# Altium PCB top_LM_v3.PcbDoc (part 1 of 6)
Units mil, origin at the board's own origin, x right, y up, seen from the top; angles counter-clockwise.
Board outline 10500 x 5830 mil, 2 copper layers (Top Layer, Bottom Layer); 771 components, 701 nets, 1994 pads, 493 vias.
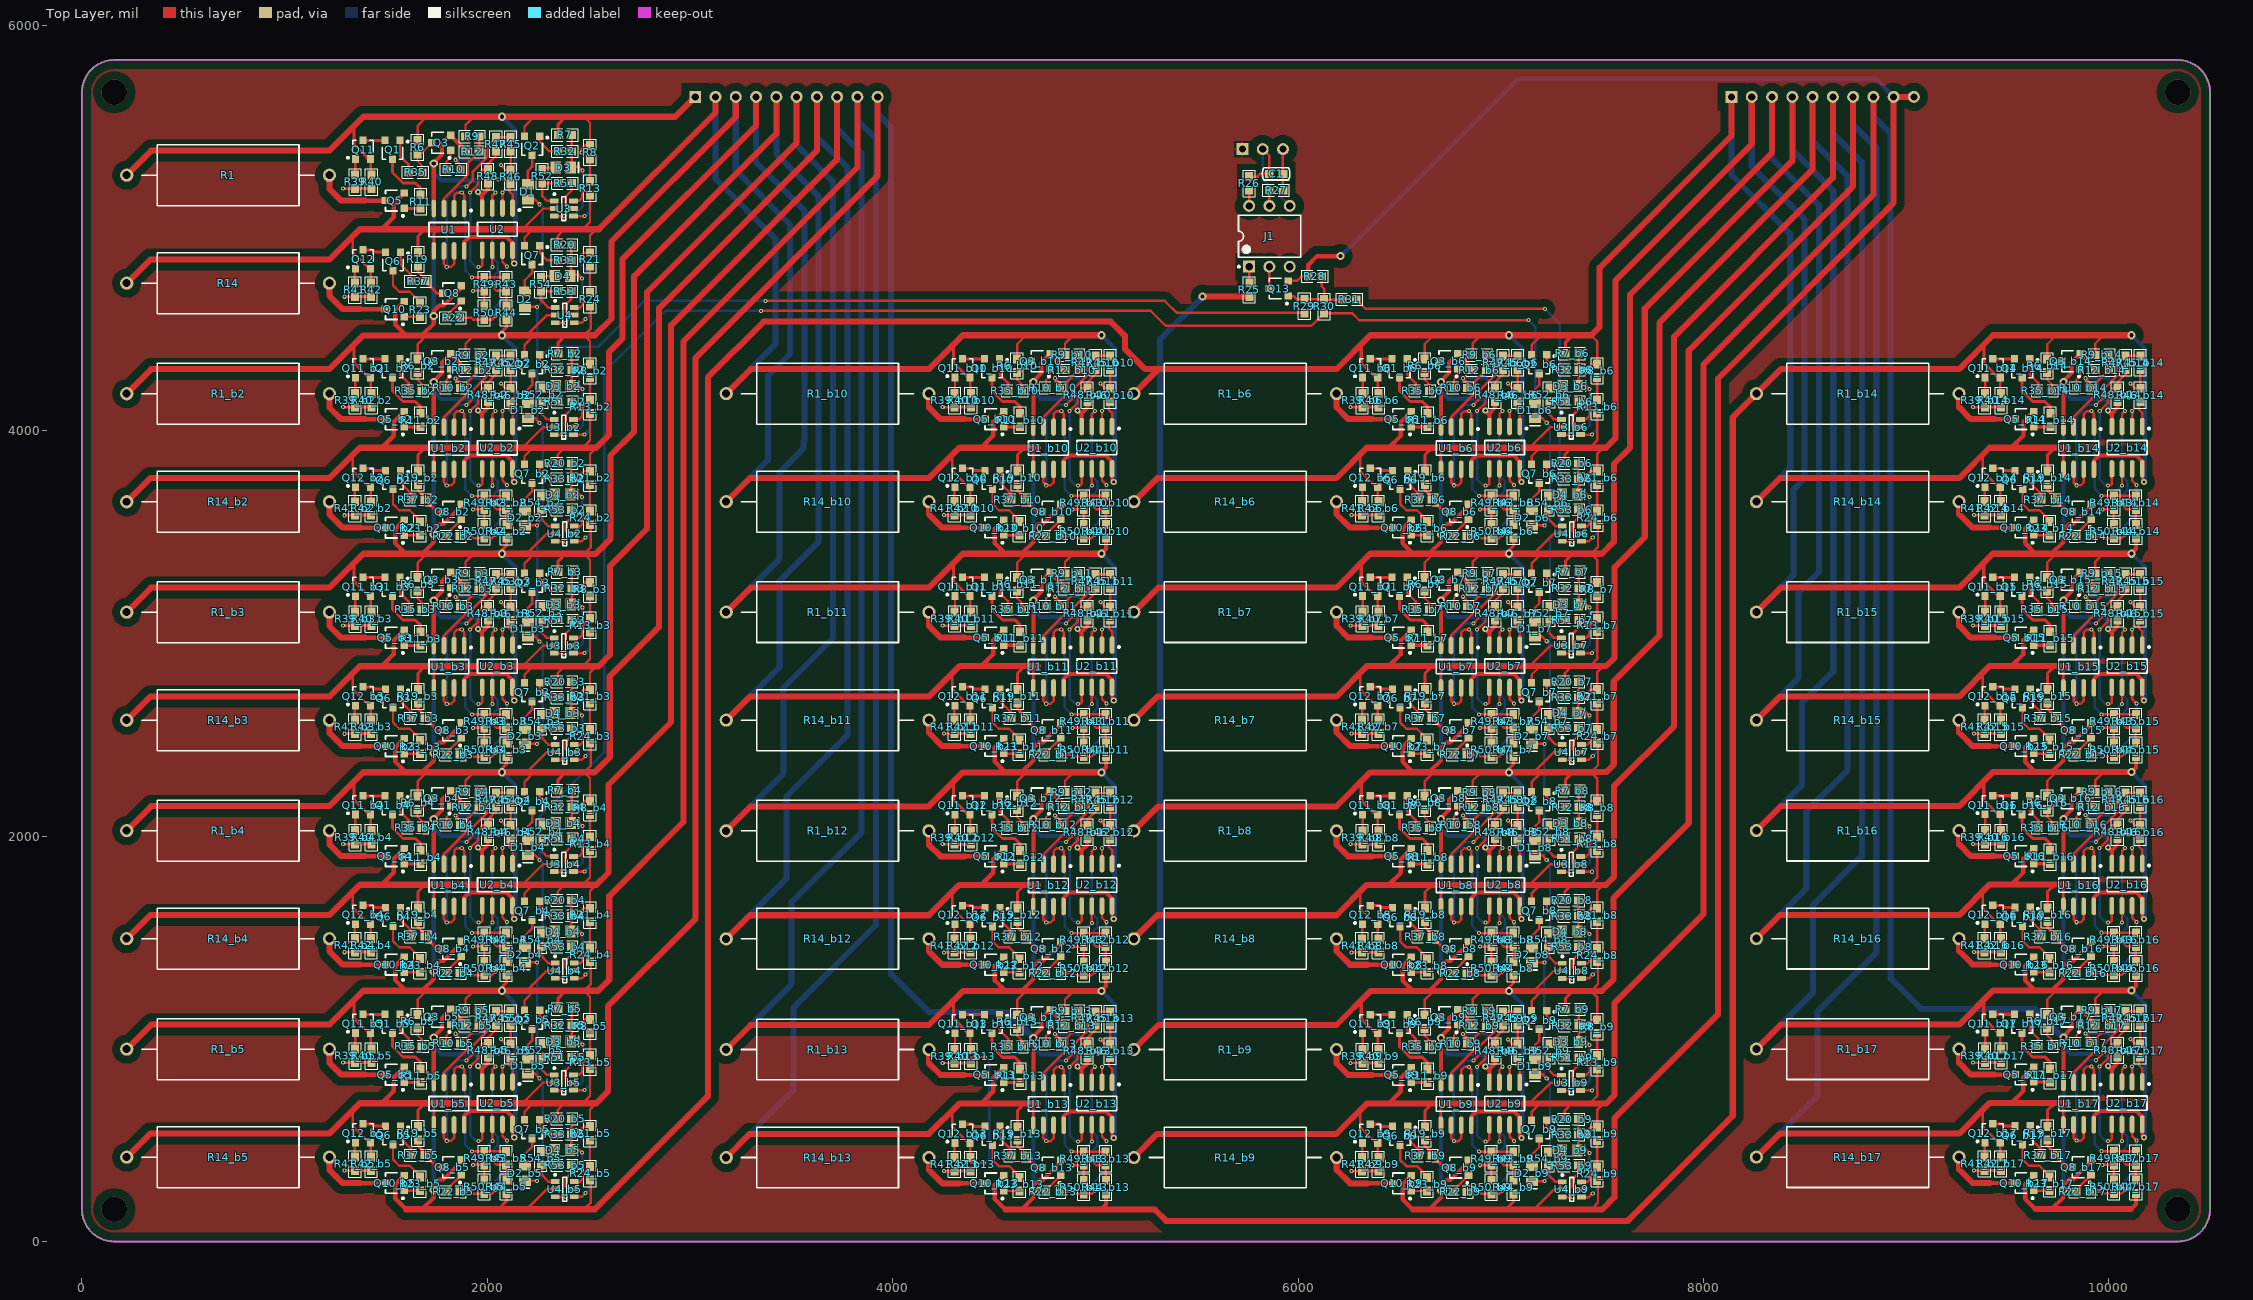
[diagram p0: Top Layer view]
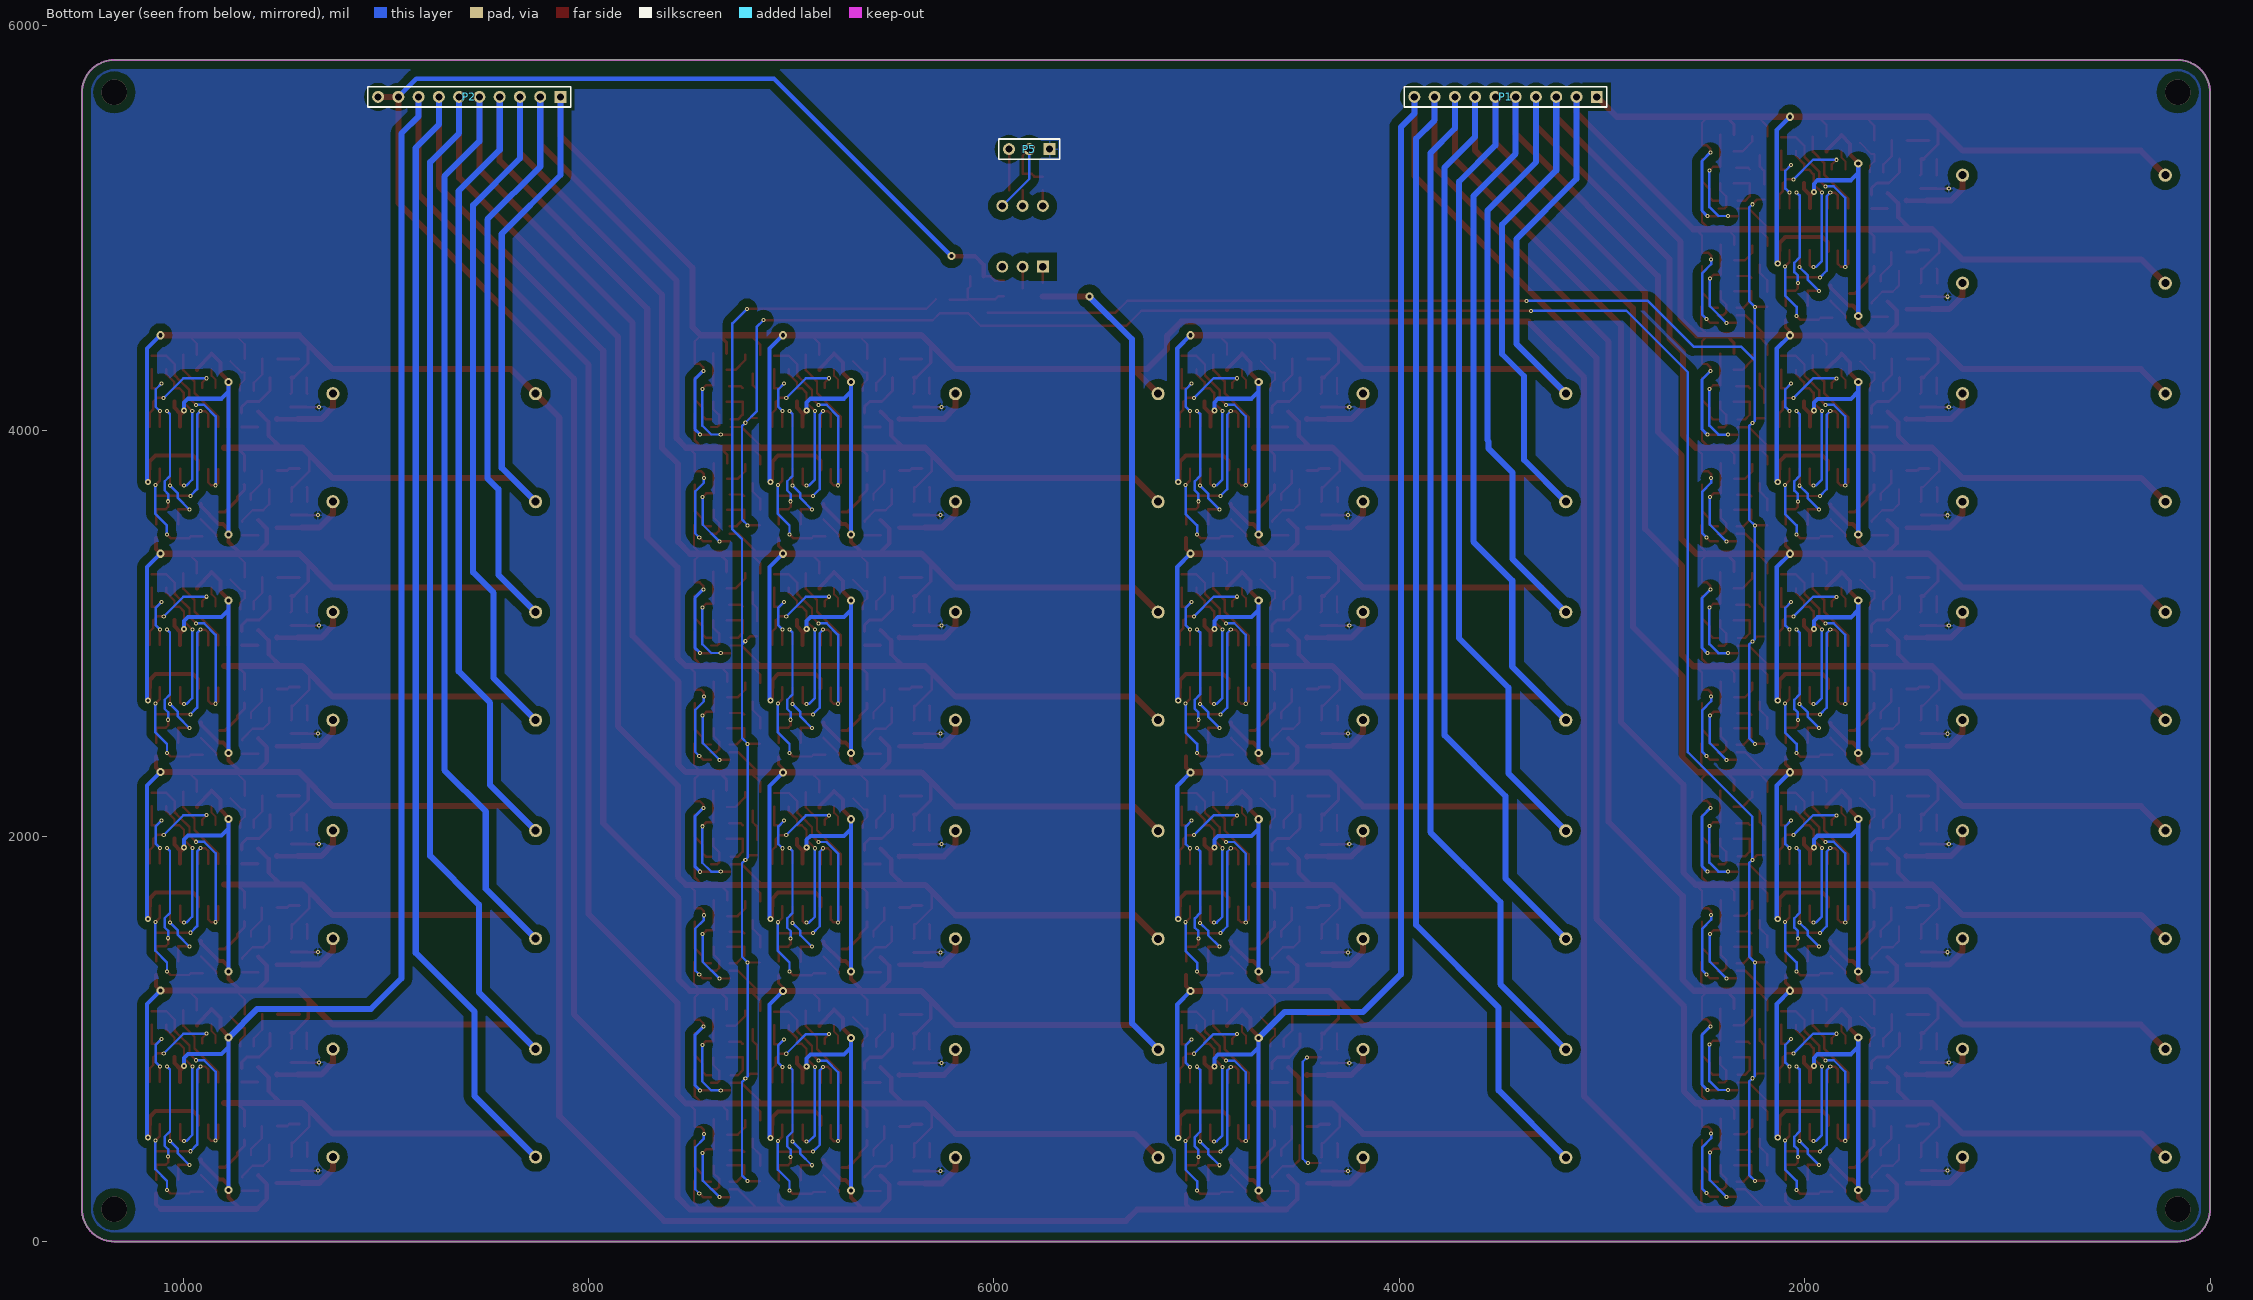
[diagram p1: Bottom Layer view, seen from below]
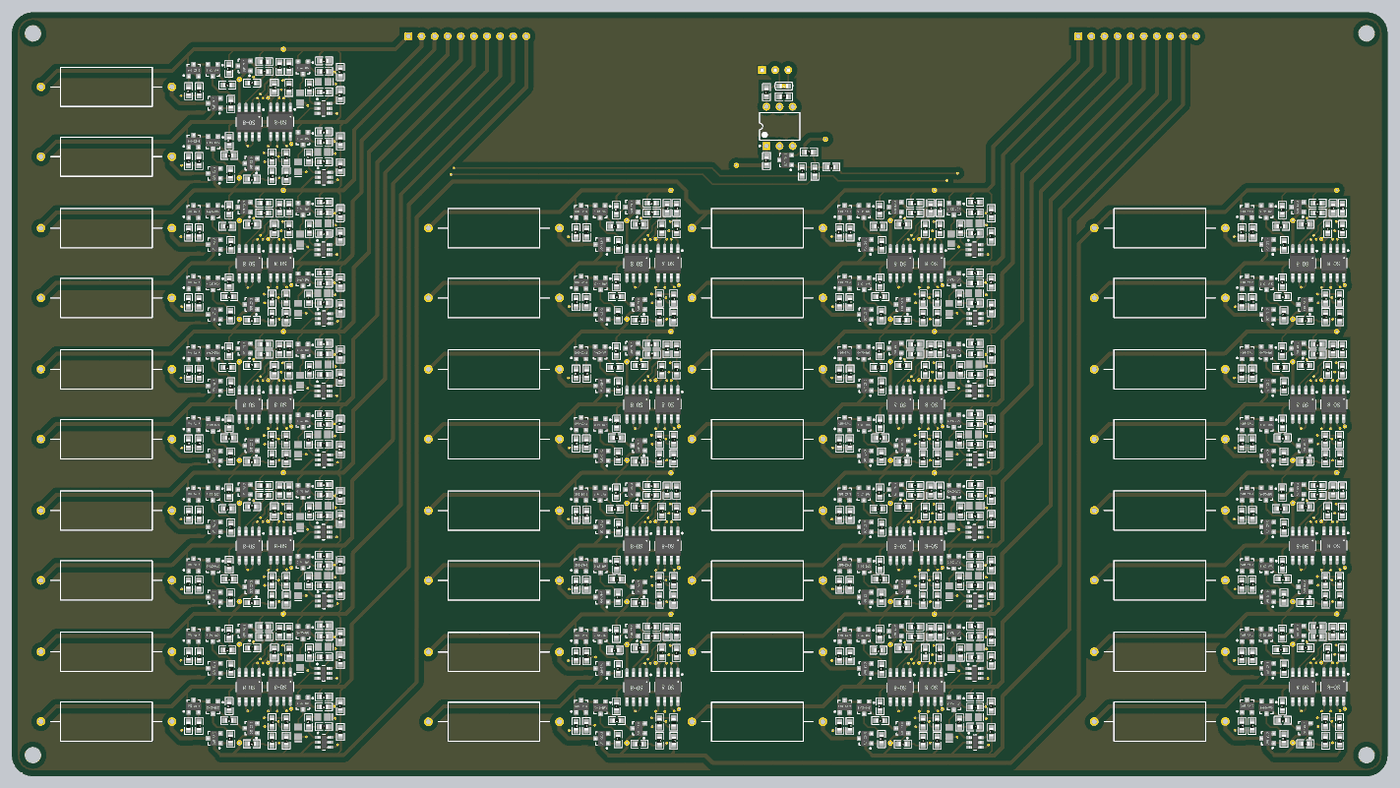
[diagram p7: 3D render of the assembled board from above, using the file's embedded part models]

## Layer stack, top to bottom
Top Solder: solder mask 0.4, Solder Resist, Dk 3.5
Top Layer: signal copper 1.4
Dielectric 1: dielectric 12.6, FR-4, Dk 4.8
Bottom Layer: signal copper 1.4
Bottom Solder: solder mask 0.4, Solder Resist, Dk 3.5

## Board outline
160,0 cw(c160,160) 0,160 0,5670 cw(c160,5670) 160,5830 10340,5830 cw(c10340,5670) 10500,5670 10500,160 cw(c10340,160) 10340,0

## Design rules (kind name [scope] priority, off if disabled: settings)
Clearance Clearance_19 [InNamedPolygon('OUT_G16_L02_P000')] p1: gap=40
Clearance Clearance_18 [InNamedPolygon('OUT_G16_L02_P000')] p2: gap=40
Clearance Clearance_17 [InNamedPolygon('OUT_G16_L01_P001')] p3: gap=40
Clearance Clearance_16 [InNamedPolygon('GND')] p4: gap=40
Clearance Clearance_15 [InNamedPolygon('GND')] p5: gap=15
Clearance Clearance_14 [InNamedPolygon('GND')] p6: gap=15
Clearance Clearance_13 [InNamedPolygon('GND')] p7: gap=15
Clearance Clearance_12 [InNamedPolygon('GND')] p8: gap=20
Clearance Clearance_11 [InNamedPolygon('GND')] p9: gap=40
Clearance Clearance_10 [InNamedPolygon('GND')] p10: gap=15
Clearance Clearance_9 [InNamedPolygon('GND')] p11: gap=12
Clearance Clearance_8 [InNamedPolygon('GND')] p12: gap=10
Clearance Clearance_7 [InNamedPolygon('GND')] p13: gap=15
Clearance Clearance_6 [InNamedPolygon('GND')] p14: gap=15
Clearance Clearance_5 [InNamedPolygon('GND')] p15: gap=20
Clearance Clearance_4 [InNamedPolygon('GND')] p16: gap=40
Clearance Clearance_3 [InNamedPolygon('GND')] p17: gap=40
Clearance Clearance_2 [InNamedPolygon('OUT_G16_L01_P002')] p18: gap=40
Clearance Clearance_1 [InNamedPolygon('OUT_G16_L01_P002')] p19: gap=40
Clearance [All] p20: gap=10
HoleSize [All] p1: absolutevalues=TRUE maxlimit=1000 minlimit=0 maxpercent=80.000 minpercent=20.000
MinimumSolderMaskSliver [All] p1: minsoldermaskwidth=0
PolygonConnect [All] p1: connectstyle=Relief reliefconductorwidth=10 reliefentries=4 polygonreliefangle="90 Angle" airgapwidth=10
RoomDefinition b3 [InComponentClass('b3')] p1: confinementstyle=ConfineIn formatcopy=TRUE lockcomponents=FALSE outline 161.82,2289 2586,2289 2586,3425 161.82,3425
RoomDefinition balance_1.1 [InComponentClass('balance_1.1')] p2: confinementstyle=ConfineIn formatcopy=TRUE lockcomponents=FALSE outline 161.82,4445.32 2586,4445.32 2586,5581.32 161.82,5581.32
RoomDefinition b17 [InComponentClass('b17')] p3: confinementstyle=ConfineIn formatcopy=TRUE lockcomponents=FALSE outline 8202.57,133.32 10213.82,133.32 10213.82,1269.32 8202.57,1269.32
RoomDefinition b16 [InComponentClass('b16')] p4: confinementstyle=ConfineIn formatcopy=TRUE lockcomponents=FALSE outline 8202.57,1211.32 10213.82,1211.32 10213.82,2347.32 8202.57,2347.32
RoomDefinition b15 [InComponentClass('b15')] p5: confinementstyle=ConfineIn formatcopy=TRUE lockcomponents=FALSE outline 8202.57,2289.32 10213.82,2289.32 10213.82,3425.32 8202.57,3425.32
RoomDefinition b14 [InComponentClass('b14')] p6: confinementstyle=ConfineIn formatcopy=TRUE lockcomponents=FALSE outline 8202.82,3367.32 10214.08,3367.32 10214.08,4503.32 8202.82,4503.32
RoomDefinition b13 [InComponentClass('b13')] p7: confinementstyle=ConfineIn formatcopy=TRUE lockcomponents=FALSE outline 3119.82,131.32 5131.08,131.32 5131.08,1267.32 3119.82,1267.32
RoomDefinition b12 [InComponentClass('b12')] p8: confinementstyle=ConfineIn formatcopy=TRUE lockcomponents=FALSE outline 3119.82,1210.32 5131.08,1210.32 5131.08,2346.32 3119.82,2346.32
RoomDefinition b11 [InComponentClass('b11')] p9: confinementstyle=ConfineIn formatcopy=TRUE lockcomponents=FALSE outline 3119.82,2289.32 5131.08,2289.32 5131.08,3425.32 3119.82,3425.32
RoomDefinition b10 [InComponentClass('b10')] p10: confinementstyle=ConfineIn formatcopy=TRUE lockcomponents=FALSE outline 3119.82,3367.32 5131.08,3367.32 5131.08,4503.32 3119.82,4503.32
RoomDefinition b9 [InComponentClass('b9')] p11: confinementstyle=ConfineIn formatcopy=TRUE lockcomponents=FALSE outline 5131.08,131.32 7555.25,131.32 7555.25,1267.32 5131.08,1267.32
RoomDefinition b8 [InComponentClass('b8')] p12: confinementstyle=ConfineIn formatcopy=TRUE lockcomponents=FALSE outline 5131.08,1210.32 7555.25,1210.32 7555.25,2346.32 5131.08,2346.32
RoomDefinition b7 [InComponentClass('b7')] p13: confinementstyle=ConfineIn formatcopy=TRUE lockcomponents=FALSE outline 5131.08,2289.32 7555.25,2289.32 7555.25,3425.32 5131.08,3425.32
RoomDefinition b6 [InComponentClass('b6')] p14: confinementstyle=ConfineIn formatcopy=TRUE lockcomponents=FALSE outline 5131.08,3367.32 7555.25,3367.32 7555.25,4503.32 5131.08,4503.32
RoomDefinition b5 [InComponentClass('b5')] p15: confinementstyle=ConfineIn formatcopy=TRUE lockcomponents=FALSE outline 161.82,133 2586,133 2586,1269 161.82,1269
RoomDefinition b4 [InComponentClass('b4')] p16: confinementstyle=ConfineIn formatcopy=TRUE lockcomponents=FALSE outline 161.82,1211 2586,1211 2586,2347 161.82,2347
RoomDefinition b2 [InComponentClass('b2')] p17: confinementstyle=ConfineIn formatcopy=TRUE lockcomponents=FALSE outline 161.82,3367 2586,3367 2586,4503 161.82,4503
RoutingVias [All] p1: holewidth=10 width=20 viastyle="Through Hole" minholewidth=1 minwidth=1 maxholewidth=100 maxwidth=100
SilkToSilkClearance [All] p1: silktosilkclearance=1
SilkToSolderMaskClearance [IsPad] p1: minsilkscreentomaskgap=1 clearancetoexposedcopper=TRUE
SolderMaskExpansion [All] p1: expansion=0
Width [All] p1: maxlimit=100 minlimit=1 preferedwidth=12 minimp=50.000000 maximp=50.000000 favimp=50.000000
26 further rules are at their usual default settings.

## Classes and differential pairs
component class b3: D1_b3 D1_b19 D2_b3 D2_b19 D3_b3 D4_b3 Q1_b3 Q1_b19 Q2_b3 Q2_b19 Q3_b3 Q3_b19 Q4_b19 Q5_b3 Q5_b19 Q6_b3 Q6_b19 Q7_b3 Q7_b19 Q8_b3 Q8_b19 Q9_b19 Q10_b3 Q10_b19 Q11_b3 Q12_b3 R1_b3 R1_b19 R2_b19 R3_b19 R4_b19 R5_b19 R6_b3 R6_b19 R7_b3 R7_b19 R8_b3 R8_b19 R9_b3 R9_b19 R10_b3 R10_b19 R11_b3 R11_b19 R12_b3 R12_b19 R13_b3 R13_b19 R14_b3 R14_b19 R15_b19 R16_b19 R17_b19 R18_b19 R19_b3 R19_b19 R20_b3 R20_b19 R21_b3 R21_b19 R22_b3 R22_b19 R23_b3 R23_b19 R24_b3 R24_b19 R32_b3 R33_b3 R35_b3 R35_b19 R36_b19 R37_b3 R37_b19 R38_b19 R39_b3 R40_b3 R41_b3 R42_b3 R43_b3 R44_b3 R45_b3 R46_b3 R47_b3 R48_b3 R49_b3 R50_b3 R51_b3 R52_b3 R53_b3 R54_b3 U1_b3 U1_b19 U2_b3 U2_b19 U3_b3 U4_b3
component class b17: D2_b19 Q1_b17 Q1_b19 Q3_b17 Q5_b17 Q5_b19 Q6_b17 Q8_b17 Q10_b17 Q10_b19 Q11_b17 Q12_b17 R1_b17 R3_b19 R5_b19 R6_b17 R6_b19 R9_b17 R9_b19 R10_b17 R11_b17 R11_b19 R12_b17 R13_b19 R14_b17 R14_b19 R16_b19 R18_b19 R19_b17 R20_b19 R22_b17 R22_b19 R23_b17 R24_b19 R35_b17 R36_b19 R37_b17 R38_b19 R39_b17 R40_b17 R41_b17 R42_b17 R43_b17 R44_b17 R45_b17 R46_b17 R47_b17 R48_b17 R49_b17 R50_b17 U1_b17 U2_b17 U2_b19
component class b16: Q1_b16 Q3_b16 Q5_b16 Q6_b16 Q8_b16 Q10_b16 Q11_b16 Q12_b16 R1_b16 R6_b16 R9_b16 R10_b16 R11_b16 R12_b16 R14_b16 R14_b19 R16_b19 R19_b16 R22_b16 R23_b16 R35_b16 R37_b16 R39_b16 R40_b16 R41_b16 R42_b16 R43_b16 R44_b16 R45_b16 R46_b16 R47_b16 R48_b16 R49_b16 R50_b16 U1_b16 U2_b16
component class b15: Q1_b15 Q3_b15 Q5_b15 Q6_b15 Q8_b15 Q10_b15 Q11_b15 Q12_b15 R1_b15 R6_b15 R9_b15 R10_b15 R11_b15 R12_b15 R14_b15 R19_b15 R22_b15 R23_b15 R35_b15 R37_b15 R39_b15 R40_b15 R41_b15 R42_b15 R43_b15 R44_b15 R45_b15 R46_b15 R47_b15 R48_b15 R49_b15 R50_b15 U1_b15 U2_b15
component class b14: Q1_b14 Q3_b14 Q5_b14 Q6_b14 Q8_b14 Q10_b14 Q11_b14 Q12_b14 R1_b14 R6_b14 R9_b14 R10_b14 R11_b14 R12_b14 R14_b14 R19_b14 R22_b14 R23_b14 R35_b14 R37_b14 R39_b14 R40_b14 R41_b14 R42_b14 R43_b14 R44_b14 R45_b14 R46_b14 R47_b14 R48_b14 R49_b14 R50_b14 U1_b14 U2_b14
component class b13: Q1_b13 Q3_b13 Q5_b13 Q6_b13 Q8_b13 Q10_b13 Q11_b13 Q12_b13 R1_b13 R6_b13 R9_b13 R10_b13 R11_b13 R12_b13 R14_b13 R19_b13 R22_b13 R23_b13 R35_b13 R37_b13 R39_b13 R40_b13 R41_b13 R42_b13 R43_b13 R44_b13 R45_b13 R46_b13 R47_b13 R48_b13 R49_b13 R50_b13 U1_b13 U2_b13
component class b12: Q1_b12 Q3_b12 Q5_b12 Q6_b12 Q8_b12 Q10_b12 Q11_b12 Q12_b12 R1_b12 R6_b12 R9_b12 R10_b12 R11_b12 R12_b12 R14_b12 R19_b12 R22_b12 R23_b12 R35_b12 R37_b12 R39_b12 R40_b12 R41_b12 R42_b12 R43_b12 R44_b12 R45_b12 R46_b12 R47_b12 R48_b12 R49_b12 R50_b12 U1_b12 U2_b12
component class b10: Q1_b10 Q3_b10 Q5_b10 Q6_b10 Q8_b10 Q10_b10 Q11_b10 Q12_b10 R1_b10 R6_b10 R9_b10 R10_b10 R11_b10 R12_b10 R14_b10 R19_b10 R22_b10 R23_b10 R35_b10 R37_b10 R39_b10 R40_b10 R41_b10 R42_b10 R43_b10 R44_b10 R45_b10 R46_b10 R47_b10 R48_b10 R49_b10 R50_b10 U1_b10 U2_b10
component class b11: Q1_b11 Q3_b11 Q5_b11 Q6_b11 Q8_b11 Q10_b11 Q11_b11 Q12_b11 R1_b11 R6_b11 R9_b11 R10_b11 R11_b11 R12_b11 R14_b11 R19_b11 R22_b11 R23_b11 R35_b11 R37_b11 R39_b11 R40_b11 R41_b11 R42_b11 R43_b11 R44_b11 R45_b11 R46_b11 R47_b11 R48_b11 R49_b11 R50_b11 U1_b11 U2_b11
component class b9: D1_b9 D2_b9 D3_b9 D4_b9 Q1_b9 Q2_b9 Q3_b9 Q5_b9 Q6_b9 Q7_b9 Q8_b9 Q10_b9 Q11_b9 Q12_b9 R1_b9 R6_b9 R7_b9 R8_b9 R9_b9 R10_b9 R11_b9 R12_b9 R13_b9 R14_b9 R19_b9 R20_b9 R21_b9 R22_b9 R23_b9 R24_b9 R32_b9 R33_b9 R35_b9 R37_b9 R39_b9 R40_b9 R41_b9 R42_b9 R43_b9 R44_b9 R45_b9 R46_b9 R47_b9 R48_b9 R49_b9 R50_b9 R51_b9 R52_b9 R53_b9 R54_b9 U1_b9 U2_b9 U3_b9 U4_b9
component class b8: D1_b8 D2_b8 D3_b8 D4_b8 Q1_b8 Q2_b8 Q3_b8 Q5_b8 Q6_b8 Q7_b8 Q8_b8 Q10_b8 Q11_b8 Q12_b8 R1_b8 R6_b8 R7_b8 R8_b8 R9_b8 R10_b8 R11_b8 R12_b8 R13_b8 R14_b8 R19_b8 R20_b8 R21_b8 R22_b8 R23_b8 R24_b8 R32_b8 R33_b8 R35_b8 R37_b8 R39_b8 R40_b8 R41_b8 R42_b8 R43_b8 R44_b8 R45_b8 R46_b8 R47_b8 R48_b8 R49_b8 R50_b8 R51_b8 R52_b8 R53_b8 R54_b8 U1_b8 U2_b8 U3_b8 U4_b8
component class b7: D1_b7 D2_b7 D3_b7 D4_b7 Q1_b7 Q2_b7 Q3_b7 Q5_b7 Q6_b7 Q7_b7 Q8_b7 Q10_b7 Q11_b7 Q12_b7 R1_b7 R6_b7 R7_b7 R8_b7 R9_b7 R10_b7 R11_b7 R12_b7 R13_b7 R14_b7 R19_b7 R20_b7 R21_b7 R22_b7 R23_b7 R24_b7 R32_b7 R33_b7 R35_b7 R37_b7 R39_b7 R40_b7 R41_b7 R42_b7 R43_b7 R44_b7 R45_b7 R46_b7 R47_b7 R48_b7 R49_b7 R50_b7 R51_b7 R52_b7 R53_b7 R54_b7 U1_b7 U2_b7 U3_b7 U4_b7
component class b6: D1_b6 D2_b6 D3_b6 D4_b6 Q1_b6 Q2_b6 Q3_b6 Q5_b6 Q6_b6 Q7_b6 Q8_b6 Q10_b6 Q11_b6 Q12_b6 R1_b6 R6_b6 R7_b6 R8_b6 R9_b6 R10_b6 R11_b6 R12_b6 R13_b6 R14_b6 R19_b6 R20_b6 R21_b6 R22_b6 R23_b6 R24_b6 R32_b6 R33_b6 R35_b6 R37_b6 R39_b6 R40_b6 R41_b6 R42_b6 R43_b6 R44_b6 R45_b6 R46_b6 R47_b6 R48_b6 R49_b6 R50_b6 R51_b6 R52_b6 R53_b6 R54_b6 U1_b6 U2_b6 U3_b6 U4_b6
component class b5: D1_b5 D2_b5 D3_b5 D4_b5 Q1_b5 Q2_b5 Q3_b5 Q5_b5 Q6_b5 Q7_b5 Q8_b5 Q10_b5 Q11_b5 Q12_b5 R1_b5 R6_b5 R7_b5 R8_b5 R9_b5 R10_b5 R11_b5 R12_b5 R13_b5 R14_b5 R19_b5 R20_b5 R21_b5 R22_b5 R23_b5 R24_b5 R32_b5 R33_b5 R35_b5 R37_b5 R39_b5 R40_b5 R41_b5 R42_b5 R43_b5 R44_b5 R45_b5 R46_b5 R47_b5 R48_b5 R49_b5 R50_b5 R51_b5 R52_b5 R53_b5 R54_b5 U1_b5 U2_b5 U3_b5 U4_b5
component class top_1: C1 J1 P1 P2 P5 Q13 R25 R26 R27 R28 R29 R30 R31
component class b4: D1_b4 D2_b4 D3_b4 D4_b4 Q1_b4 Q2_b4 Q3_b4 Q5_b4 Q6_b4 Q7_b4 Q8_b4 Q10_b4 Q11_b4 Q12_b4 R1_b4 R6_b4 R7_b4 R8_b4 R9_b4 R10_b4 R11_b4 R12_b4 R13_b4 R14_b4 R19_b4 R20_b4 R21_b4 R22_b4 R23_b4 R24_b4 R32_b4 R33_b4 R35_b4 R37_b4 R39_b4 R40_b4 R41_b4 R42_b4 R43_b4 R44_b4 R45_b4 R46_b4 R47_b4 R48_b4 R49_b4 R50_b4 R51_b4 R52_b4 R53_b4 R54_b4 U1_b4 U2_b4 U3_b4 U4_b4
component class balance_1.1: D1 D2 D3 D4 Q1 Q2 Q3 Q5 Q6 Q7 Q8 Q10 Q11 Q12 R1 R6 R7 R8 R9 R10 R11 R12 R13 R14 R19 R20 R21 R22 R23 R24 R32 R33 R35 R37 R39 R40 R41 R42 R43 R44 R45 R46 R47 R48 R49 R50 R51 R52 R53 R54 U1 U2 U3 U4
net class OUT[1..16]: OUT2 OUT5 OUT8 OUT9 OUT10 OUT11 OUT12 OUT13 OUT14 OUT15 OUT16
net class IN_A[1..16]: IN_A0 IN_A1 IN_A2 IN_A3 IN_A4 IN_A5 IN_A6 IN_A7 IN_A8 IN_A9 IN_A10 IN_A11 IN_A12 IN_A13 IN_A14 IN_A15 IN_A16
component class b2: D1_b1 D1_b2 D2_b1 D2_b2 D3_b2 D4_b2 Q1_b1 Q1_b2 Q2_b1 Q2_b2 Q3_b1 Q3_b2 Q4_b1 Q5_b1 Q5_b2 Q6_b1 Q6_b2 Q7_b1 Q7_b2 Q8_b1 Q8_b2 Q9_b1 Q10_b1 Q10_b2 Q11_b2 Q12_b2 R1_b1 R1_b2 R2_b1 R3_b1 R4_b1 R5_b1 R6_b1 R6_b2 R7_b1 R7_b2 R8_b1 R8_b2 R9_b1 R9_b2 R10_b1 R10_b2 R11_b1 R11_b2 R12_b1 R12_b2 R13_b1 R13_b2 R14_b1 R14_b2 R15_b1 R16_b1 R17_b1 R18_b1 R19_b1 R19_b2 R20_b1 R20_b2 R21_b1 R21_b2 R22_b1 R22_b2 R23_b1 R23_b2 R24_b1 R24_b2 R32_b2 R33_b2 R35_b2 R37_b2 R39_b2 R40_b2 R41_b2 R42_b2 R43_b2 R44_b2 R45_b2 R46_b2 R47_b2 R48_b2 R49_b2 R50_b2 R51_b2 R52_b2 R53_b2 R54_b2 U1_b1 U1_b2 U2_b1 U2_b2 U3_b2 U4_b2
net class IN_B[1..16]: IN_B8
net class IN_C[1..16]: IN_C8
net class OUT_G[1..16]: OUT_G16
channel class balance_1.1: b2 b3 b4 b5 b6 b7 b8 b9 b10 b11 b12 b13 b14 b15 b16 b17 b18 balance_1.1

## Components (designator, comment, footprint, x,y, rotation, side; value= is the part's Value field where it differs from the comment)
C1 "Cap-S" C-0603 5892,5268 r180 top
D1 "1N4148" LED-0805 2200,5179 r270 top
D1_b2 "1N4148" LED-0805 2200,4100.68 r270 top (schematic designator D1)
D1_b3 "1N4148" LED-0805 2200,3022.68 r270 top (schematic designator D1)
D1_b4 "1N4148" LED-0805 2200,1944.68 r270 top (schematic designator D1)
D1_b5 "1N4148" LED-0805 2200,866.68 r270 top (schematic designator D1)
D1_b6 "1N4148" LED-0805 7169.25,4101 r270 top (schematic designator D1)
D1_b7 "1N4148" LED-0805 7169.25,3023 r270 top (schematic designator D1)
D1_b8 "1N4148" LED-0805 7169.25,1944 r270 top (schematic designator D1)
D1_b9 "1N4148" LED-0805 7169.25,865 r270 top (schematic designator D1)
D2 "1N4148" LED-0805 2185,4650 r270 top
D2_b2 "1N4148" LED-0805 2185,3571.68 r270 top (schematic designator D2)
D2_b3 "1N4148" LED-0805 2185,2493.68 r270 top (schematic designator D2)
D2_b4 "1N4148" LED-0805 2185,1415.68 r270 top (schematic designator D2)
D2_b5 "1N4148" LED-0805 2185,337.68 r270 top (schematic designator D2)
D2_b6 "1N4148" LED-0805 7154.25,3572 r270 top (schematic designator D2)
D2_b7 "1N4148" LED-0805 7154.25,2494 r270 top (schematic designator D2)
D2_b8 "1N4148" LED-0805 7154.25,1415 r270 top (schematic designator D2)
D2_b9 "1N4148" LED-0805 7154.25,336 r270 top (schematic designator D2)
D3 "1N4148" LED-0805 2375,5299 r0 top
D3_b2 "1N4148" LED-0805 2375,4220.68 r0 top (schematic designator D3)
D3_b3 "1N4148" LED-0805 2375,3142.68 r0 top (schematic designator D3)
D3_b4 "1N4148" LED-0805 2375,2064.68 r0 top (schematic designator D3)
D3_b5 "1N4148" LED-0805 2375,986.68 r0 top (schematic designator D3)
D3_b6 "1N4148" LED-0805 7344.25,4221 r0 top (schematic designator D3)
D3_b7 "1N4148" LED-0805 7344.25,3143 r0 top (schematic designator D3)
D3_b8 "1N4148" LED-0805 7344.25,2064 r0 top (schematic designator D3)
D3_b9 "1N4148" LED-0805 7344.25,985 r0 top (schematic designator D3)
D4 "1N4148" LED-0805 2371,4764 r0 top
D4_b2 "1N4148" LED-0805 2371,3685.68 r0 top (schematic designator D4)
D4_b3 "1N4148" LED-0805 2371,2607.68 r0 top (schematic designator D4)
D4_b4 "1N4148" LED-0805 2371,1529.68 r0 top (schematic designator D4)
D4_b5 "1N4148" LED-0805 2371,451.68 r0 top (schematic designator D4)
D4_b6 "1N4148" LED-0805 7340.25,3686 r0 top (schematic designator D4)
D4_b7 "1N4148" LED-0805 7340.25,2608 r0 top (schematic designator D4)
D4_b8 "1N4148" LED-0805 7340.25,1529 r0 top (schematic designator D4)
D4_b9 "1N4148" LED-0805 7340.25,450 r0 top (schematic designator D4)
J1 "CNY17-1" DIP-6 5859,4960 r90 top
P1 "Header 10" HDR10X1-2.54 3526,5648 r0 bottom
P2 "Header 10" HDR10X1-2.54 8639,5648 r0 bottom
P5 "Header 3" HDR3X1-2.54 5726,5390 r0 bottom
Q1 "MMBT3906" SOT23-3 1532.23,5387.32 r180 top
Q1_b2 "MMBT3906" SOT23-3 1532.23,4309 r180 top (schematic designator Q1)
Q1_b3 "MMBT3906" SOT23-3 1532.23,3231 r180 top (schematic designator Q1)
Q1_b4 "MMBT3906" SOT23-3 1532.23,2153 r180 top (schematic designator Q1)
Q1_b5 "MMBT3906" SOT23-3 1532.23,1075 r180 top (schematic designator Q1)
Q1_b6 "MMBT3906" SOT23-3 6501.48,4309.32 r180 top (schematic designator Q1)
Q1_b7 "MMBT3906" SOT23-3 6501.48,3231.32 r180 top (schematic designator Q1)
Q1_b8 "MMBT3906" SOT23-3 6501.48,2152.32 r180 top (schematic designator Q1)
Q1_b9 "MMBT3906" SOT23-3 6501.48,1073.32 r180 top (schematic designator Q1)
Q1_b10 "MMBT3906" SOT23-3 4490.23,4309.32 r180 top (schematic designator Q1)
Q1_b11 "MMBT3906" SOT23-3 4490.23,3231.32 r180 top (schematic designator Q1)
Q1_b12 "MMBT3906" SOT23-3 4490.23,2152.32 r180 top (schematic designator Q1)
Q1_b13 "MMBT3906" SOT23-3 4490.23,1073.32 r180 top (schematic designator Q1)
Q1_b14 "MMBT3906" SOT23-3 9573.23,4309.32 r180 top (schematic designator Q1)
Q1_b15 "MMBT3906" SOT23-3 9572.97,3231.32 r180 top (schematic designator Q1)
Q1_b16 "MMBT3906" SOT23-3 9572.97,2153.32 r180 top (schematic designator Q1)
Q1_b17 "MMBT3906" SOT23-3 9572.97,1075.32 r180 top (schematic designator Q1)
Q2 "MMBT5400" SOT23-3 2221,5407 r180 top
Q2_b2 "MMBT5400" SOT23-3 2221,4328.68 r180 top (schematic designator Q2)
Q2_b3 "MMBT5400" SOT23-3 2221,3250.68 r180 top (schematic designator Q2)
Q2_b4 "MMBT5400" SOT23-3 2221,2172.68 r180 top (schematic designator Q2)
Q2_b5 "MMBT5400" SOT23-3 2221,1094.68 r180 top (schematic designator Q2)
Q2_b6 "MMBT5400" SOT23-3 7190.25,4329 r180 top (schematic designator Q2)
Q2_b7 "MMBT5400" SOT23-3 7190.25,3251 r180 top (schematic designator Q2)
Q2_b8 "MMBT5400" SOT23-3 7190.25,2172 r180 top (schematic designator Q2)
Q2_b9 "MMBT5400" SOT23-3 7190.25,1093 r180 top (schematic designator Q2)